# KiCad board Djinn.kicad_pcb
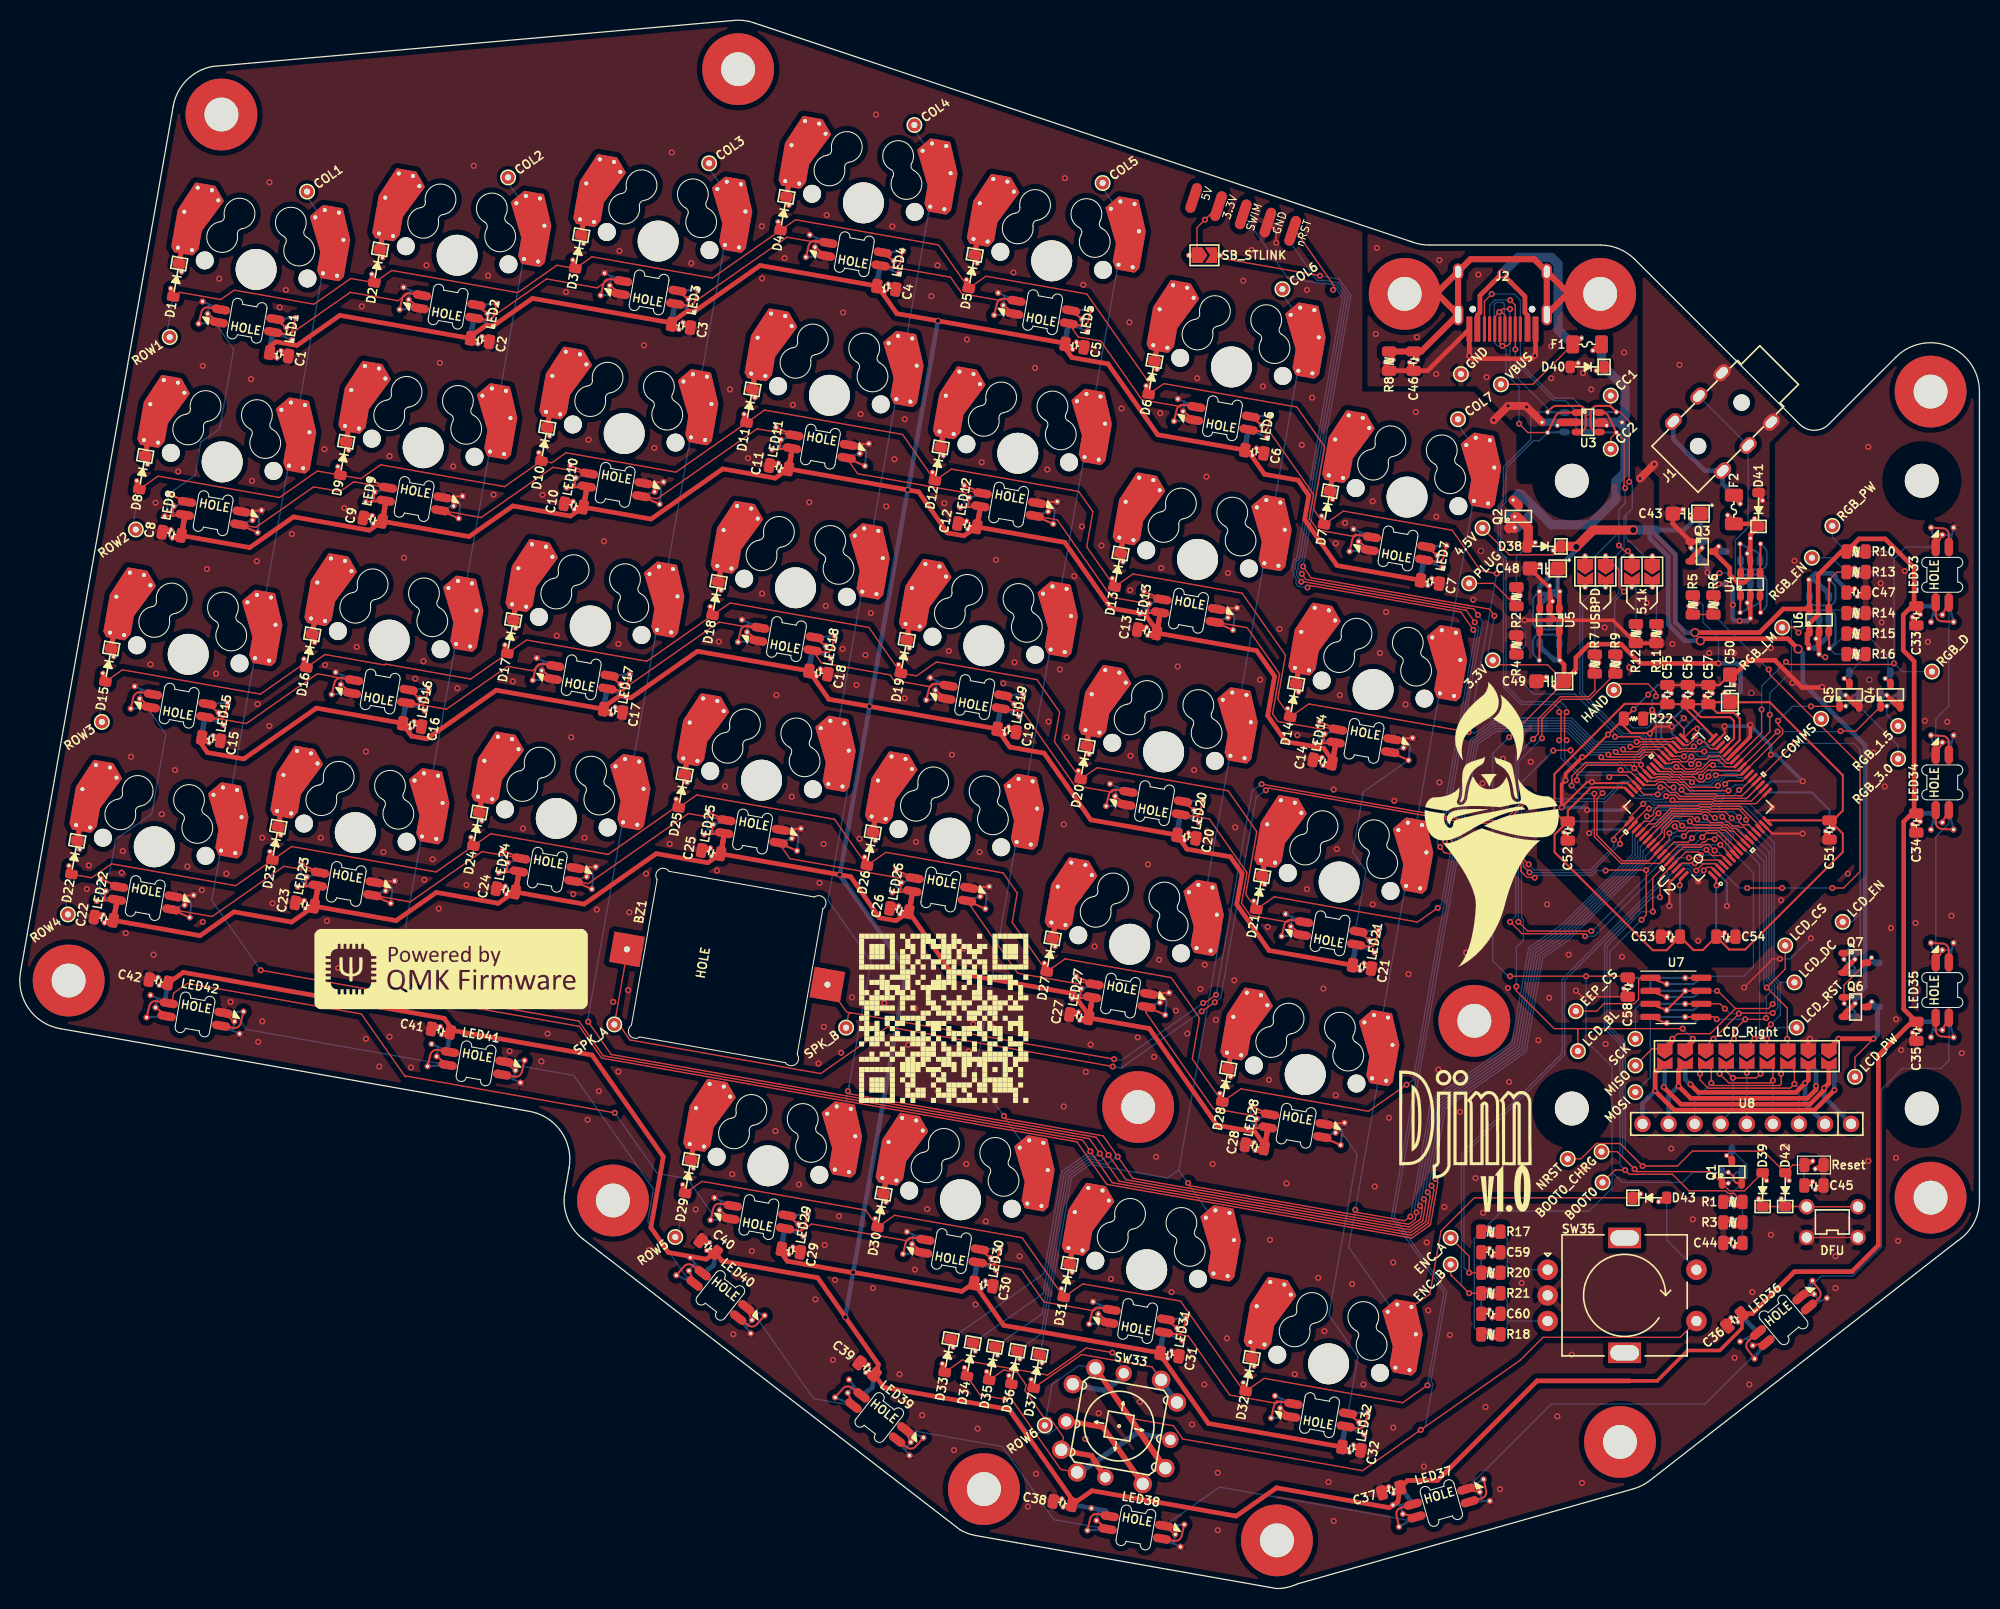
[diagram p0: board, top side]
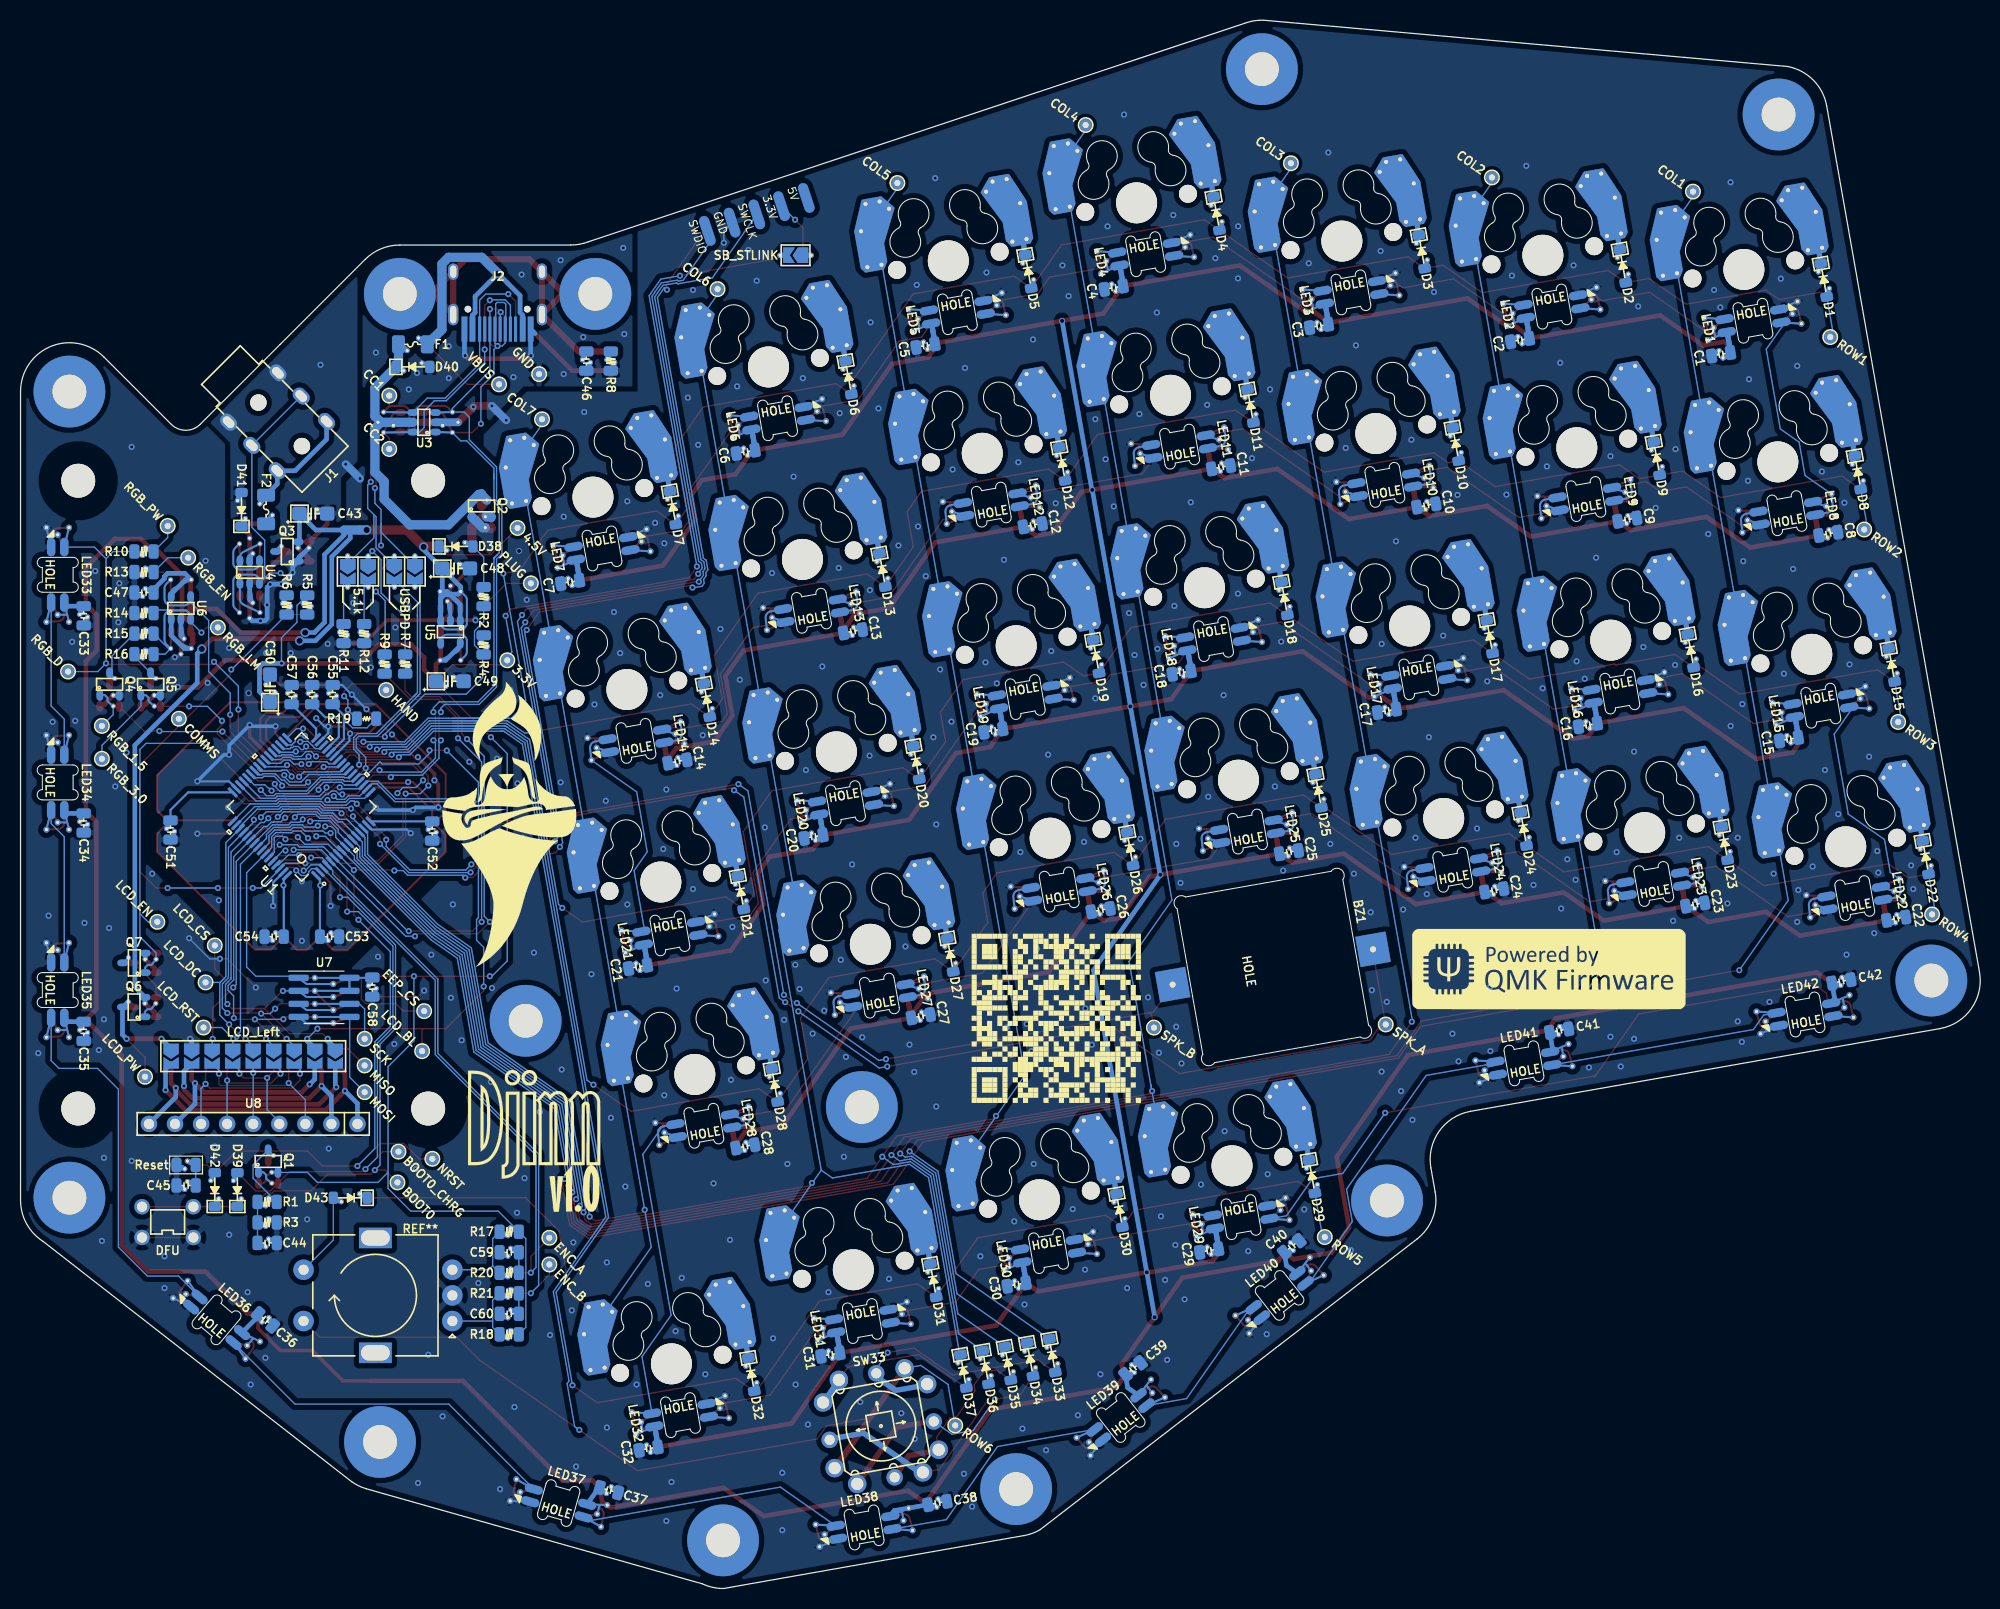
[diagram p1: board, bottom side, seen from below]

Outline 190.89 x 152.85 mm; copper layers: Top, Bottom. Coordinates in mm from the lower left corner of the outline.

## Placement (name value [footprint] x y rotation side)
BZ1  KLJ-1625  [Piezo-KLJ-1625]  68.86 60.59 80 top
C1  100n  [MX-1U-Cap0805]  22.96 128.59 350 top
C2  100n  [MX-1U-Cap0805]  42.55 129.97 350 top
C3  100n  [MX-1U-Cap0805]  62.13 131.35 350 top
C4  100n  [MX-1U-Cap0805]  82.13 135.08 350 top
C5  100n  [MX-1U-Cap0805]  100.48 129.42 350 top
C6  100n  [MX-1U-Cap0805]  118 119.08 350 top
C7  100n  [MX-1U-Cap0805]  135.11 106.39 350 top
C8  100n  [MX-1U-Cap0805]  19.65 109.82 170 bottom
C9  100n  [MX-1U-Cap0805]  39.24 111.21 170 bottom
C10  100n  [MX-1U-Cap0805]  58.83 112.59 170 bottom
C11  100n  [MX-1U-Cap0805]  78.83 116.32 170 bottom
C12  100n  [MX-1U-Cap0805]  97.17 110.66 170 bottom
C13  100n  [MX-1U-Cap0805]  114.69 100.32 170 bottom
C14  100n  [MX-1U-Cap0805]  131.8 87.63 170 bottom
C15  100n  [MX-1U-Cap0805]  16.34 91.06 350 top
C16  100n  [MX-1U-Cap0805]  35.93 92.45 350 top
C17  100n  [MX-1U-Cap0805]  55.52 93.83 350 top
C18  100n  [MX-1U-Cap0805]  75.52 97.56 350 top
C19  100n  [MX-1U-Cap0805]  93.87 91.9 350 top
C20  100n  [MX-1U-Cap0805]  111.39 81.56 350 top
C21  100n  [MX-1U-Cap0805]  128.49 68.87 350 top
C22  100n  [MX-1U-Cap0805]  13.03 72.3 170 bottom
C23  100n  [MX-1U-Cap0805]  32.62 73.69 170 bottom
C24  100n  [MX-1U-Cap0805]  52.21 75.07 170 bottom
C25  100n  [MX-1U-Cap0805]  72.21 78.79 170 bottom
C26  100n  [MX-1U-Cap0805]  90.56 73.14 170 bottom
C27  100n  [MX-1U-Cap0805]  108.08 62.8 170 bottom
C28  100n  [MX-1U-Cap0805]  125.18 50.11 170 bottom
C29  100n  [MX-1U-Cap0805]  72.84 41.21 350 top
C30  100n  [MX-1U-Cap0805]  91.6 37.9 350 top
C31  100n  [MX-1U-Cap0805]  109.74 31.07 350 top
C32  100n  [MX-1U-Cap0805]  127.46 21.9 350 top
C33  100n  [C-0805_2012Metric]  184.73 94.82 270 top
C34  100n  [C-0805_2012Metric]  184.73 74.62 270 top
C35  100n  [C-0805_2012Metric]  184.73 54.31 270 top
C36  100n  [C-0805_2012Metric]  167.02 26.19 220 top
C37  100n  [C-0805_2012Metric]  133.56 9.59 196 top
C38  100n  [C-0805_2012Metric]  101.54 8.33 170 top
C39  100n  [C-0805_2012Metric]  82.49 21.43 142 top
C40  100n  [C-0805_2012Metric]  67.01 33.33 142 top
C41  100n  [C-0805_2012Metric]  40.96 54.39 170 top
C42  100n  [C-0805_2012Metric]  13.46 59.19 170 top
C43  10u  [CP_3216]  162.36 104.79 180 top
C44  100n  [C-0805_2012Metric]  166.86 33.69 180 top
C45  100n  [C-0805_2012Metric]  174.76 39.29 0 top
C46  4.7n  [C-0805_2012Metric]  135.75 119.65 270 top
C47  100n  [C-0805_2012Metric]  178.86 97.09 0 top
C48  10u  [CP_3216]  148.44 99.44 180 top
C49  10u  [CP_3216]  149.06 88.44 180 top
C50  10u  [CP_3216]  166.57 87.74 90 top
C51  100n  [C-0805_2012Metric]  176.27 73.94 270 top
C52  100n  [C-0805_2012Metric]  150.77 73.84 270 top
C53  100n  [C-0805_2012Metric]  160.77 63.54 180 top
C54  100n  [C-0805_2012Metric]  166.17 63.54 0 top
C55  100n  [C-0805_2012Metric]  160.47 87.14 90 top
C56  100n  [C-0805_2012Metric]  162.47 87.14 90 top
C57  100n  [C-0805_2012Metric]  164.47 87.14 90 top
C58  100n  [C-0805_2012Metric]  156.61 58.63 270 top
C59  100n  [C-0805_2012Metric]  143.27 32.78 0 top
C60  100n  [C-0805_2012Metric]  143.27 26.78 0 top
D1  1N4148  [MX-1U-D_SOD-123]  22.96 128.59 350 top
D2  1N4148  [MX-1U-D_SOD-123]  42.55 129.97 350 top
D3  1N4148  [MX-1U-D_SOD-123]  62.13 131.35 350 top
D4  1N4148  [MX-1U-D_SOD-123]  82.13 135.08 350 top
D5  1N4148  [MX-1U-D_SOD-123]  100.48 129.42 350 top
D6  1N4148  [MX-1U-D_SOD-123]  118 119.08 350 top
D7  1N4148  [MX-1U-D_SOD-123]  135.11 106.39 350 top
D8  1N4148  [MX-1U-D_SOD-123]  19.65 109.82 350 top
D9  1N4148  [MX-1U-D_SOD-123]  39.24 111.21 350 top
D10  1N4148  [MX-1U-D_SOD-123]  58.83 112.59 350 top
D11  1N4148  [MX-1U-D_SOD-123]  78.83 116.32 350 top
D12  1N4148  [MX-1U-D_SOD-123]  97.17 110.66 350 top
D13  1N4148  [MX-1U-D_SOD-123]  114.69 100.32 350 top
D14  1N4148  [MX-1U-D_SOD-123]  131.8 87.63 350 top
D15  1N4148  [MX-1U-D_SOD-123]  16.34 91.06 350 top
D16  1N4148  [MX-1U-D_SOD-123]  35.93 92.45 350 top
D17  1N4148  [MX-1U-D_SOD-123]  55.52 93.83 350 top
D18  1N4148  [MX-1U-D_SOD-123]  75.52 97.56 350 top
D19  1N4148  [MX-1U-D_SOD-123]  93.87 91.9 350 top
D20  1N4148  [MX-1U-D_SOD-123]  111.39 81.56 350 top
D21  1N4148  [MX-1U-D_SOD-123]  128.49 68.87 350 top
D22  1N4148  [MX-1U-D_SOD-123]  13.03 72.3 350 top
D23  1N4148  [MX-1U-D_SOD-123]  32.62 73.69 350 top
D24  1N4148  [MX-1U-D_SOD-123]  52.21 75.07 350 top
D25  1N4148  [MX-1U-D_SOD-123]  72.21 78.79 350 top
D26  1N4148  [MX-1U-D_SOD-123]  90.56 73.14 350 top
D27  1N4148  [MX-1U-D_SOD-123]  108.08 62.8 350 top
D28  1N4148  [MX-1U-D_SOD-123]  125.18 50.11 350 top
D29  1N4148  [MX-1U-D_SOD-123]  72.84 41.21 350 top
D30  1N4148  [MX-1U-D_SOD-123]  91.6 37.9 350 top
D31  1N4148  [MX-1U-D_SOD-123]  109.74 31.07 350 top
D32  1N4148  [MX-1U-D_SOD-123]  127.46 21.9 350 top
D33  1N4148  [D_SOD-123]  90.34 22.7 260 top
D34  1N4148  [D_SOD-123]  92.51 22.32 260 top
D35  1N4148  [D_SOD-123]  94.68 21.94 260 top
D36  1N4148  [D_SOD-123]  96.84 21.56 260 top
D37  1N4148  [D_SOD-123]  99.01 21.17 260 top
D38  SS34  [D_SOD-123]  148.46 101.59 180 top
D39  1N4148  [D_SOD-123]  169.76 38.89 90 top
D40  SMF5.0CA  [D_SOD-123]  152.66 119.09 180 top
D41  SMF5.0CA  [D_SOD-123]  169.36 105.19 90 top
D42  1N4148  [D_SOD-123]  171.96 38.89 90 top
D43  1N4148  [D_SOD-123]  158.76 38.09 0 top
F1  3.0A 1206 Polyfuse  [Fuse_1206_3216Metric]  152.66 121.29 180 top
F2  1.5A 1206 Polyfuse  [Fuse_1206_3216Metric]  166.96 105.19 90 top
J1  AudioJack3  [PJ-3136-B]  169.48 117.38 225 top
J2  USB-C-2.0  [HRO-TYPE-C-31-M-12-HandSoldering-NoSBU]  144.4 130.97 180 top
J3  ST-Link Clone  [STLink_SideSocket]  119.98 136.47 251.6 top
J4  LCD_Left  [SolderJumper-1.0x1.5mm_x9]  168.21 51.89 180 bottom
J5  LCD_Right  [SolderJumper-1.0x1.5mm_x9]  168.21 51.89 0 top
JP1  Reset  [JumperPads]  174.76 41.29 0 top
LED1  -  [MX-1U-SK6812Mini-E]  22.96 128.59 350 top
LED2  -  [MX-1U-SK6812Mini-E]  42.55 129.97 350 top
LED3  -  [MX-1U-SK6812Mini-E]  62.13 131.35 350 top
LED4  -  [MX-1U-SK6812Mini-E]  82.13 135.08 350 top
LED5  -  [MX-1U-SK6812Mini-E]  100.48 129.42 350 top
LED6  -  [MX-1U-SK6812Mini-E]  118 119.08 350 top
LED7  -  [MX-1U-SK6812Mini-E]  135.11 106.39 350 top
LED8  -  [MX-1U-SK6812Mini-E]  19.65 109.82 170 bottom
LED9  -  [MX-1U-SK6812Mini-E]  39.24 111.21 170 bottom
LED10  -  [MX-1U-SK6812Mini-E]  58.83 112.59 170 bottom
LED11  -  [MX-1U-SK6812Mini-E]  78.83 116.32 170 bottom
LED12  -  [MX-1U-SK6812Mini-E]  97.17 110.66 170 bottom
LED13  -  [MX-1U-SK6812Mini-E]  114.69 100.32 170 bottom
LED14  -  [MX-1U-SK6812Mini-E]  131.8 87.63 170 bottom
LED15  -  [MX-1U-SK6812Mini-E]  16.34 91.06 350 top
LED16  -  [MX-1U-SK6812Mini-E]  35.93 92.45 350 top
LED17  -  [MX-1U-SK6812Mini-E]  55.52 93.83 350 top
LED18  -  [MX-1U-SK6812Mini-E]  75.52 97.56 350 top
LED19  -  [MX-1U-SK6812Mini-E]  93.87 91.9 350 top
LED20  -  [MX-1U-SK6812Mini-E]  111.39 81.56 350 top
LED21  -  [MX-1U-SK6812Mini-E]  128.49 68.87 350 top
LED22  -  [MX-1U-SK6812Mini-E]  13.03 72.3 170 bottom
LED23  -  [MX-1U-SK6812Mini-E]  32.62 73.69 170 bottom
LED24  -  [MX-1U-SK6812Mini-E]  52.21 75.07 170 bottom
LED25  -  [MX-1U-SK6812Mini-E]  72.21 78.79 170 bottom
LED26  -  [MX-1U-SK6812Mini-E]  90.56 73.14 170 bottom
LED27  -  [MX-1U-SK6812Mini-E]  108.08 62.8 170 bottom
LED28  -  [MX-1U-SK6812Mini-E]  125.18 50.11 170 bottom
LED29  -  [MX-1U-SK6812Mini-E]  72.84 41.21 350 top
LED30  -  [MX-1U-SK6812Mini-E]  91.6 37.9 350 top
LED31  -  [MX-1U-SK6812Mini-E]  109.74 31.07 350 top
LED32  -  [MX-1U-SK6812Mini-E]  127.46 21.9 350 top
LED33  -  [SK6812Mini-E]  187.26 98.82 270 top
LED34  -  [SK6812Mini-E]  187.26 78.58 270 top
LED35  -  [SK6812Mini-E]  187.26 58.34 270 top
LED36  -  [SK6812Mini-E]  171.79 26.19 220 top
LED37  -  [SK6812Mini-E]  138.45 8.33 195.9 top
LED38  -  [SK6812Mini-E]  108.68 5.95 170 top
LED39  -  [SK6812Mini-E]  83.68 16.67 142 top
LED40  -  [SK6812Mini-E]  68.2 28.57 142 top
LED41  -  [SK6812Mini-E]  44.39 51.19 170 top
LED42  -  [SK6812Mini-E]  17 55.96 170 top
LOGO1  QMK Logo  [QMK_PoweredBy]  41.96 60.39 0 top
LOGO2  QMK Logo  [QMK_PoweredBy]  41.96 60.39 180 bottom
LOGO3  Djinn Logo  [DjinnLogo]  143.36 74.49 0 top
LOGO4  Djinn Logo  [DjinnLogo]  143.26 74.49 180 bottom
LOGO5  Djinn Name+Ver  [DjinnNameVer]  141.06 43.79 0 top
LOGO6  Djinn Name+Ver  [DjinnNameVer]  140.56 43.79 180 bottom
LOGO7  QMK QRCode  [QMK_QRCode]  89.96 55.59 0 top
LOGO8  QMK QRCode  [QMK_QRCode]  89.96 55.59 180 bottom
OUTLINE1  Outline Footprint  [Djinn_MainPCB]  22.96 128.59 0 top
Q1  MMUN2133LT1G  [SOT-23-3]  166.76 41.19 90 top
Q2  AO3401A  [SOT-23-3]  145.96 105.09 90 top
Q3  AO3401A  [SOT-23-3]  164.46 101.09 0 top
Q4  MMUN2233LT1G  [SOT-23-3]  182.21 87.69 90 top
Q5  MMUN2233LT1G  [SOT-23-3]  178.21 87.69 90 top
Q6  AO3401A  [SOT-23-3]  179.38 56.68 0 top
Q7  MMUN2233LT1G  [SOT-23-3]  179.36 60.99 0 top
R1  120  [R-0805_2012Metric]  166.86 37.69 180 top
R2  5.1k  [R-0805_2012Metric]  145.76 96.69 270 top
R3  1M  [R-0805_2012Metric]  166.86 35.69 180 top
R4  100k  [R-0805_2012Metric]  145.76 91.99 270 top
R5  1.5k  [R-0805_2012Metric]  162.96 95.89 90 top
R6  120  [R-0805_2012Metric]  164.96 95.89 90 top
R7  9.1k  [R-0805_2012Metric]  153.41 90.12 90 top
R8  1M  [R-0805_2012Metric]  133.37 119.65 270 top
R9  9.1k  [R-0805_2012Metric]  155.41 90.12 90 top
R10  5.1k  [R-0805_2012Metric]  178.86 101.09 0 top
R11  5.1k  [R-0805_2012Metric]  159.41 93.09 270 top
R12  5.1k  [R-0805_2012Metric]  157.41 93.09 270 top
R13  9.1k  [R-0805_2012Metric]  178.86 99.09 0 top
R14  52.3k  [R-0805_2012Metric]  178.86 95.09 0 top
R15  13.7k  [R-0805_2012Metric]  178.86 93.09 0 top
R16  9.1k  [R-0805_2012Metric]  178.86 91.09 0 top
R17  9.1k  [R-0805_2012Metric]  143.27 34.78 0 top
R18  9.1k  [R-0805_2012Metric]  143.27 24.78 0 top
R19  9.1k  [R-0805_2012Metric#2]  157.17 84.79 0 bottom
R20  9.1k  [R-0805_2012Metric]  143.27 30.78 0 top
R21  9.1k  [R-0805_2012Metric]  143.27 28.78 0 top
R22  9.1k  [R-0805_2012Metric#2]  157.17 84.79 0 top
SB1  5.1k  [SolderJumper-1.0x1.5mm_x2]  158.01 99.14 270 bottom
SB2  USBPD  [SolderJumper-1.0x1.5mm_x2]  153.46 99.14 270 top
SB3  SB_STLINK  [SolderJumper-1.0x1.5mm]  115.36 129.97 0 top
SW1  SW_Push  [MX-1U-Hotswap]  22.96 128.59 350 top
SW2  SW_Push  [MX-1U-Hotswap]  42.55 129.97 350 top
SW3  SW_Push  [MX-1U-Hotswap]  62.13 131.35 350 top
SW4  SW_Push  [MX-1U-Hotswap]  82.13 135.08 350 top
SW5  SW_Push  [MX-1U-Hotswap]  100.48 129.42 350 top
SW6  SW_Push  [MX-1U-Hotswap]  118 119.08 350 top
SW7  SW_Push  [MX-1U-Hotswap]  135.11 106.39 350 top
SW8  SW_Push  [MX-1U-Hotswap]  19.65 109.82 350 top
SW9  SW_Push  [MX-1U-Hotswap]  39.24 111.21 350 top
SW10  SW_Push  [MX-1U-Hotswap]  58.83 112.59 350 top
SW11  SW_Push  [MX-1U-Hotswap]  78.83 116.32 350 top
SW12  SW_Push  [MX-1U-Hotswap]  97.17 110.66 350 top
SW13  SW_Push  [MX-1U-Hotswap]  114.69 100.32 350 top
SW14  SW_Push  [MX-1U-Hotswap]  131.8 87.63 350 top
SW15  SW_Push  [MX-1U-Hotswap]  16.34 91.06 350 top
SW16  SW_Push  [MX-1U-Hotswap]  35.93 92.45 350 top
SW17  SW_Push  [MX-1U-Hotswap]  55.52 93.83 350 top
SW18  SW_Push  [MX-1U-Hotswap]  75.52 97.56 350 top
SW19  SW_Push  [MX-1U-Hotswap]  93.87 91.9 350 top
SW20  SW_Push  [MX-1U-Hotswap]  111.39 81.56 350 top
SW21  SW_Push  [MX-1U-Hotswap]  128.49 68.87 350 top
SW22  SW_Push  [MX-1U-Hotswap]  13.03 72.3 350 top
SW23  SW_Push  [MX-1U-Hotswap]  32.62 73.69 350 top
SW24  SW_Push  [MX-1U-Hotswap]  52.21 75.07 350 top
SW25  SW_Push  [MX-1U-Hotswap]  72.21 78.79 350 top
SW26  SW_Push  [MX-1U-Hotswap]  90.56 73.14 350 top
SW27  SW_Push  [MX-1U-Hotswap]  108.08 62.8 350 top
SW28  SW_Push  [MX-1U-Hotswap]  125.18 50.11 350 top
SW29  SW_Push  [MX-1U-Hotswap]  72.84 41.21 350 top
SW30  SW_Push  [MX-1U-Hotswap]  91.6 37.9 350 top
SW31  SW_Push  [MX-1U-Hotswap]  109.74 31.07 350 top
SW32  SW_Push  [MX-1U-Hotswap]  127.46 21.9 350 top
SW33  5Way-Tactile_K1-1506DN-01  [5Way-K1-1506DN-01]  107.05 15.83 350 top
SW34  DFU  [PushButton_4.5mm]  176.55 35.72 90 top
SW35  Rotary_Encoder_Switch  [EC11_Switch]  156.31 28.57 0 top
TP1  GND  [TestPoint]  140.36 118.39 45 top
TP2  SCK  [TestPoint]  157.36 53.59 225 top
TP3  VBUS  [TestPoint]  144.26 117.39 45 top
TP4  MISO  [TestPoint]  157.36 50.99 225 top
TP5  4.5V  [TestPoint]  142.46 103.39 225 top
TP6  MOSI  [TestPoint]  157.36 48.39 225 top
TP7  3.3V  [TestPoint]  143.46 90.49 225 top
TP8  NRST  [TestPoint]  150.76 41.89 225 top
TP9  COL1  [TestPoint]  27.92 136.17 35 top
TP10  BOOT0  [TestPoint]  154.16 39.59 225 top
TP11  COL2  [TestPoint]  47.51 137.55 35 top
TP12  BOOT0_CHRG  [TestPoint]  154.06 42.59 225 top
TP13  COL3  [TestPoint]  67.1 138.94 35 top
TP14  COMMS  [TestPoint]  175.46 84.79 225 top
TP15  COL4  [TestPoint]  87.1 142.66 35 top
TP16  COL5  [TestPoint]  105.45 137.01 35 top
TP17  RGB_PW  [TestPoint]  176.55 103.58 45 top
TP18  COL6  [TestPoint]  122.97 126.67 35 top
TP19  RGB_EN  [TestPoint]  174.56 100.49 225 top
TP20  COL7  [TestPoint]  140.07 113.98 35 top
TP21  RGB_D  [TestPoint]  186.26 89.39 45 top
TP22  RGB_1.5  [TestPoint]  182.96 84.09 225 top
TP23  ROW1  [TestPoint]  14.54 121.99 215 top
TP24  RGB_3.0  [TestPoint]  182.96 80.89 225 top
TP25  ROW2  [TestPoint]  11.23 103.23 215 top
TP26  RGB_LM  [TestPoint]  171.66 93.69 225 top
TP27  ROW3  [TestPoint]  7.93 84.47 215 top
TP28  ROW4  [TestPoint]  4.62 65.71 215 top
TP29  LCD_PW  [TestPoint]  178.76 49.89 45 top
TP30  ROW5  [TestPoint]  63.8 34.26 215 top
TP31  LCD_EN  [TestPoint]  177.56 64.99 45 top
TP32  ROW6  [TestPoint]  99.81 15.9 215 top
TP33  LCD_CS  [TestPoint]  171.96 62.69 45 top
TP34  LCD_DC  [TestPoint]  172.86 59.09 45 top
TP35  SPK_A  [TestPoint]  57.86 54.99 215 top
TP36  LCD_RST  [TestPoint]  173.06 54.69 45 top
TP37  SPK_B  [TestPoint]  80.44 54.67 215 top
TP38  LCD_BL  [TestPoint]  151.76 52.39 45 top
TP39  CC1  [TestPoint]  154.96 116.29 45 top
TP40  EEP_CS  [TestPoint]  151.56 56.29 45 top
TP41  CC2  [TestPoint]  154.96 111.09 45 top
TP42  HAND  [TestPoint]  155.26 87.59 225 top
TP43  PLUG  [TestPoint]  141.16 97.99 45 top
TP44  ENC_A  [TestPoint]  139.36 34.19 225 top
TP45  ENC_B  [TestPoint]  139.36 31.59 225 top
U1  -  [STM32G474RETx]  163.49 76.2 45 bottom
U2  -  [STM32G474RETx]  163.49 76.2 135 top
U3  USBLC6-4SC6  [SOT-23-6]  152.16 113.69 0 bottom
U4  USBLC6-4SC6  [SOT-23-6]  168.56 98.49 90 top
U5  AP2127K-3.3  [SOT-23-5]  148.99 93.84 270 top
U6  MT9700  [SOT-23-5]  175.26 94.99 90 top
U7  MB85RS64  [SOIC-8_3.9x4.9mm_P1.27mm]  161.31 57.63 0 top
U8  -  [LCD-ILI9341-2.2in]  168.21 77.39 180 bottom

## Footprints (pads in the part's own frame, mm; a bottom-side part is the same pattern mirrored in y, then rotated)
5Way-K1-1506DN-01
  round 1.8 hole 1.2: 1(-5.15,3.25) 2(3.25,-5.15) 3(-5.15,-3.25) 4(-3.25,5.15) 4(5.15,-3.25) 5(-3.25,-5.15) 6(3.25,5.15) 6(5.15,3.25)
  custom 6.106x3.312 smd far side: 1(-2.54,3.175)
  round 1.6 hole 1: 1(-0.45,5.15) 2(-5.15,-0.45) 3(-0.45,-5.15) 5(5.15,-0.45)
  custom 9.916x6.106 smd: 2(2.032,-3.937)
  custom 6.106x3.312 smd: 3(-1.778,-3.81)
  custom 9.939x9.939 smd: 4(0.95,0.95)
  custom 9.916x6.106 smd far side: 5(3.81,-0.381)
  custom 3.462x3.462 smd far side: 6(4.2,4.2)
C-0805_2012Metric
  custom 1.389x0.881 smd: 1(-0.938,0) 2(0.938,0)
  custom 1.389x0.881 smd far side: 1(-0.938,0) 2(0.938,0)
  rrect 0.975x1.4 smd: 1(-0.938,0) 2(0.938,0)
  rrect 0.975x1.4 smd far side: 1(-0.938,0) 2(0.938,0)
  round 0.5 hole 0.3: 1(-0.127,0.381) 2(0.127,-0.381)
CP_3216
  custom 1.5x1 smd: 1(-1.35,0) 2(1.35,0)
  custom 1.5x1 smd far side: 1(-1.35,0) 2(1.35,0)
  rrect 1.4x1.35 smd: 1(-1.35,0) 2(1.35,0)
  rrect 1.4x1.35 smd far side: 1(-1.35,0) 2(1.35,0)
  round 0.5 hole 0.3: 1(-0.4,0.508) 2(0.4,-0.4)
D_SOD-123
  custom 1.262x0.881 smd: 1(-1.651,0) 2(1.65,0)
  custom 1.262x0.881 smd far side: 1(-1.651,0) 2(1.65,0)
  rrect 0.9x1.2 smd far side: 1(-1.651,0) 2(1.65,0)
  rrect 0.9x1.2 smd: 1(-1.65,0) 2(1.65,0)
  round 0.5 hole 0.3: 1(-0.889,0.381) 2(0.87,-0.381)
Djinn_MainPCB
  round 7 hole 3.3: 1(111.919,-2.381) 1(130.969,-2.381) ~(-18.268,-69.319) ~(-3.382,15.104) ~(34.774,-90.761) ~(46.967,19.525) ~(70.919,-118.897) ~(85.95,-81.65) ~(99.474,-123.895) ~(118.708,-73.246) ~(132.901,-114.3) ~(163.167,-11.906) ~(163.167,-90.488)
EC11_Switch
  round 2 hole 1: A(-7.5,2.5) B(-7.5,-2.5) C(-7.5,0) S1(7,-2.5) S2(7,2.5)
  rect 3.2x2 hole 2.8x1.5: MP(0,5.6) MP(0,-5.6)
Fuse_1206_3216Metric
  custom 1.313x1.16 smd: 1(-1.4,0)
  custom 1.313x1.16 smd far side: 1(-1.4,0)
  rrect 1.25x1.75 smd: 1(-1.4,0) 2(1.4,0)
  rrect 1.25x1.75 smd far side: 1(-1.4,0) 2(1.4,0)
  round 0.5 hole 0.3: 1(-0.559,0.61) 2(0.55,-0.61)
  custom 1.364x1.11 smd: 2(1.4,0)
  custom 1.364x1.11 smd far side: 2(1.4,0)
HRO-TYPE-C-31-M-12-HandSoldering-NoSBU
  round 0.65 hole 0.65 unplated: (-2.89,6.25) (2.89,6.25)
  rect 0.57x2.45 smd: A1(-3.225,8.195) A4(-2.45,8.195) B1(3.225,8.195) B4(2.45,8.195)
  rect 0.57x2.45 smd far side: A1(3.225,8.195) A4(2.45,8.195) B1(-3.225,8.195) B4(-2.45,8.195)
  rect 0.3x2.45 smd: A5(-1.25,8.195) A6(-0.25,8.195) A7(0.25,8.195) B5(1.75,8.195) B6(0.75,8.195) B7(-0.75,8.195) ~(-1.75,8.195) ~(1.25,8.195)
  rect 0.3x2.45 smd far side: A5(1.25,8.195) A6(0.25,8.195) A7(-0.25,8.195) B5(-1.75,8.195) B6(-0.75,8.195) B7(0.75,8.195) ~(-1.25,8.195) ~(1.75,8.195)
  oval 1x2.1 hole 0.6x1.7: S1(-4.32,6.78) S1(4.32,6.78)
  oval 1x1.6 hole 0.6x1.2: S1(-4.32,2.6) S1(4.32,2.6)
JumperPads
  custom 1.389x0.881 smd: 1(-0.938,0) 2(0.938,0)
  custom 1.389x0.881 smd far side: 1(-0.938,0) 2(0.938,0)
  rrect 0.975x1.4 smd: 1(-0.938,0) 2(0.938,0)
  rrect 0.975x1.4 smd far side: 1(-0.938,0) 2(0.938,0)
  round 0.5 hole 0.3: 1(-0.127,0.381) 2(0.127,-0.381)
LCD-ILI9341-2.2in
  round 3.3 hole 3.3 unplated: (-17.05,-30.6) (-17.05,30.6) (17.05,-30.6) (17.05,30.6)
  round 1.6 hole 1: 1(-10.16,-32.1) 2(-7.62,-32.1) 3(-5.08,-32.1) 4(-2.54,-32.1) 5(0,-32.1) 6(2.54,-32.1) 7(5.08,-32.1) 8(7.62,-32.1) 9(10.16,-32.1)
MX-1U-Cap0805
  custom 1.389x2.992 smd far side: 1(2.692,-7.75) 1(2.692,-7.757)
  custom 1.389x0.881 smd: 1(2.692,-7.757) 2(4.567,-7.757)
  custom 1.389x0.881 smd far side: 1(2.692,-7.757) 2(4.567,-7.757)
  rrect 0.975x1.4 smd: 1(2.692,-7.757) 2(4.567,-7.757)
  rrect 0.975x1.4 smd far side: 1(2.692,-7.757) 2(4.567,-7.757)
  round 0.5 hole 0.3: 1(3.502,-8.138) 2(3.756,-7.376)
MX-1U-D_SOD-123
  custom 1.012x5.294 smd: 1(-7.493,-0.737)
  custom 1.012x5.294 smd far side: 1(-7.493,-0.737)
  rrect 1.2x0.9 smd far side: 1(-7.49,-0.73) 2(-7.49,-4.031)
  custom 1.231x1.462 smd: 1(-7.49,-0.73)
  custom 1.231x1.462 smd far side: 1(-7.49,-0.73)
  rrect 1.2x0.9 smd: 1(-7.49,-0.731) 2(-7.49,-4.031)
  round 0.5 hole 0.3: 1(-7.109,-1.492) 2(-7.871,-3.251)
  custom 1.231x1.461 smd: 2(-7.49,-4.031)
  custom 1.231x1.461 smd far side: 2(-7.49,-4.031)
MX-1U-Hotswap
  round 1.75 hole 1.75 unplated: (-5.08,0) (5.08,0)
  round 3.988 hole 3.988 unplated: (0,0)
  round 0.8 hole 0.4: 1(-7.874,4.318) 1(-7.874,0.762) 1(-6.985,6.858) 1(-6.477,0.762) 1(-5.588,6.858) 1(-4.8,6) 2(4.8,6) 2(5.588,6.858) 2(6.477,0.762) 2(6.985,6.858) 2(7.874,4.318) 2(7.874,0.762)
  custom 4.27x7.07 smd far side: 1(-7.285,2.54) 2(6.425,5.067)
  rect 2.35x2.5 smd far side: 1(-7.2,2.54)
  custom 4.27x7.07 smd: 1(-6.499,5.067) 2(7.212,2.54)
  rect 2.15x2.5 smd: 1(-6.399,5.067)
  rect 2.15x2.5 smd far side: 2(6.425,5.067)
  rect 2.35x2.5 smd: 2(7.212,2.54)
MX-1U-SK6812Mini-E